# Altium PCB PCB1.PcbDoc
Units mm, origin at the board's own origin, x right, y up, seen from the top; angles counter-clockwise.
Board outline 160.01 x 54.01 mm, 2 copper layers (Top Layer, Bottom Layer); 23 components, 35 nets, 151 pads, 13 vias.
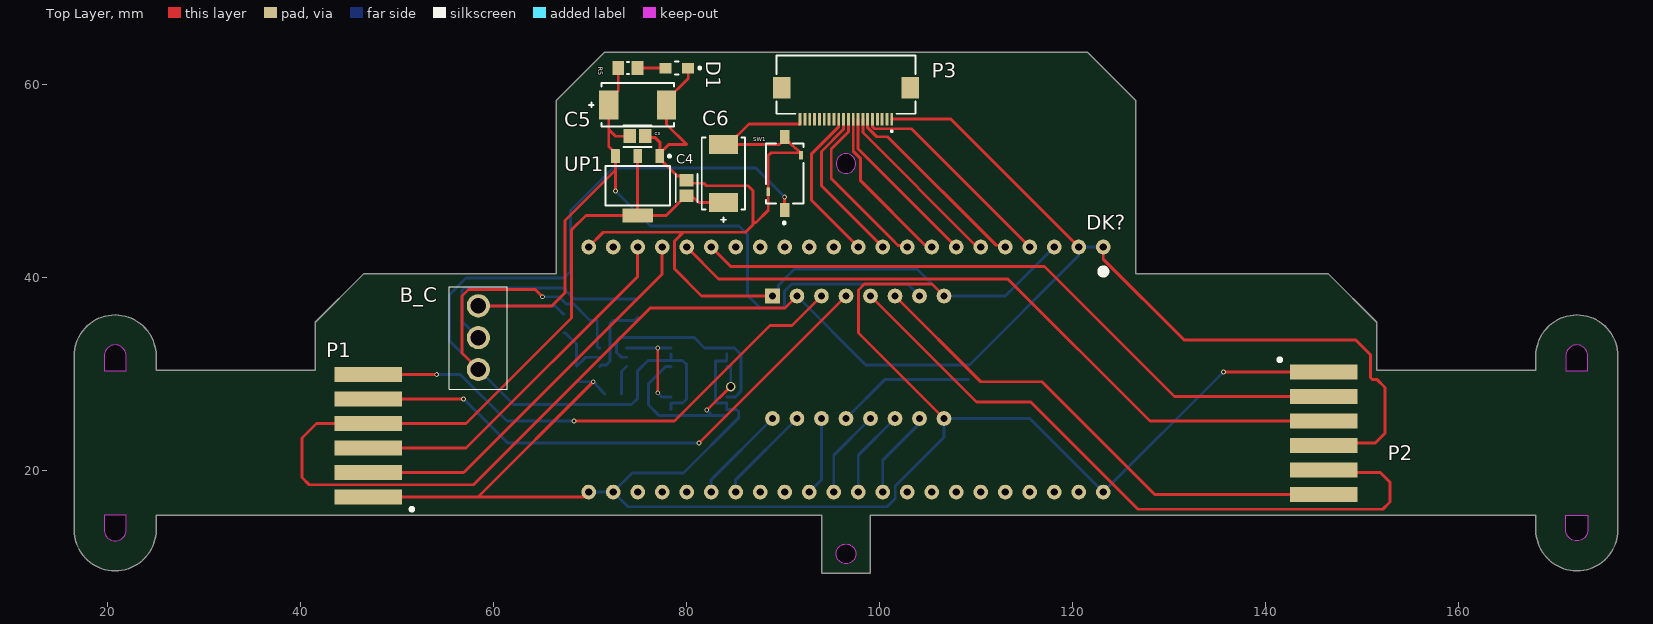
[diagram p0: Top Layer view]
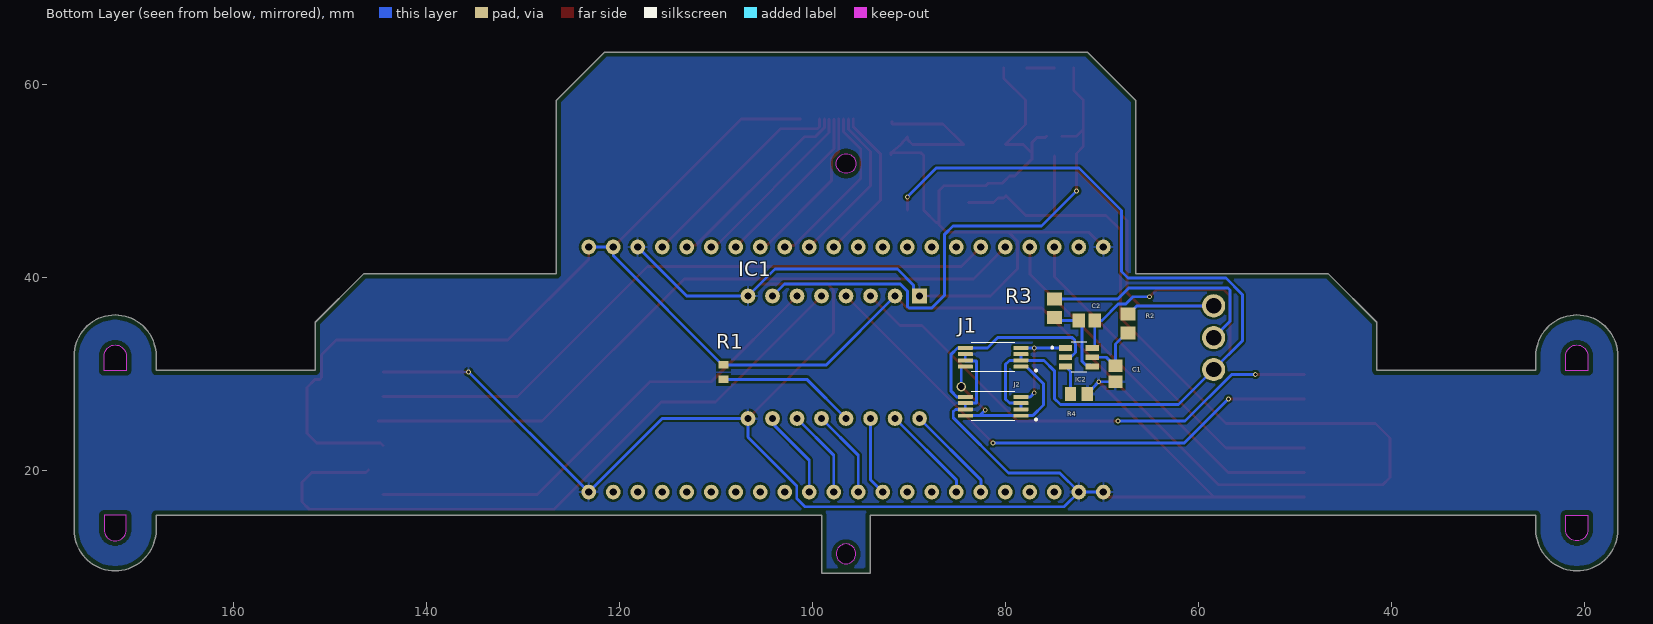
[diagram p1: Bottom Layer view, seen from below]
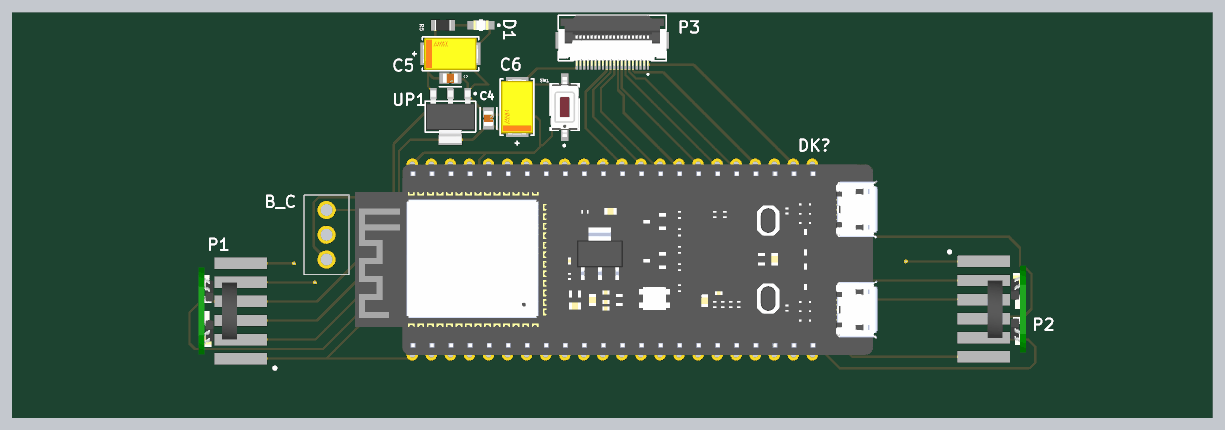
[diagram p2: 3D render of the assembled board from above, using the file's embedded part models]

## Layer stack, top to bottom
Top Solder: solder mask 0.0102, Solder Resist, Dk 3.5
Top Layer: signal copper 0.0356
Dielectric 1: dielectric 0.32, FR-4, Dk 4.8
Bottom Layer: signal copper 0.0356
Bottom Solder: solder mask 0.0102, Solder Resist, Dk 3.5

## Board outline
16.517,13.876 ccw(c20.774,13.876) 25.03,13.876 25.03,15.37 94.017,15.37 94.017,9.376 94.024,9.37 99.024,9.37 99.03,9.376 99.03,15.37 168.017,15.37 168.017,13.876 ccw(c172.274,13.876) 176.53,13.876 176.53,31.876 ccw(c172.274,31.876) 168.017,31.876 168.017,30.383 151.53,30.383 151.53,35.376 151.528,35.381 146.528,40.381 146.524,40.383 126.53,40.383 126.53,58.376 126.528,58.381 121.528,63.381 121.524,63.383 71.524,63.383 71.519,63.381 66.519,58.381 66.517,58.376 66.517,40.383 46.524,40.383 46.519,40.381 41.519,35.381 41.517,35.376 41.517,30.383 25.03,30.383 25.03,31.876 ccw(c20.774,31.876) 16.517,31.877
cut-out: 19.624,13.876 ccw(c20.774,13.876) 21.924,13.876 21.924,15.376 19.624,15.376
cut-out: 171.124,13.876 171.124,15.376 173.424,15.376 173.424,13.876 cw(c172.274,13.876)
cut-out: 95.495,51.825 ccw(c96.52,51.825) 96.52,50.8 ccw(c96.52,51.825) 97.545,51.825 ccw(c96.52,51.825) 96.52,52.85 ccw(c96.52,51.825)
cut-out: 95.499,11.376 cw(c96.524,11.376) 96.524,12.401 cw(c96.524,11.376) 97.549,11.376 cw(c96.524,11.376) 96.524,10.351 cw(c96.524,11.376)
cut-out: 171.124,30.376 173.424,30.376 173.424,31.876 ccw(c172.274,31.876) 171.124,31.876
cut-out: 19.624,30.376 21.924,30.376 21.924,31.876 ccw(c20.774,31.876) 19.624,31.876

## Design rules (kind name [scope] priority, off if disabled: settings)
BoardOutlineClearance BoardOutlineClearance_1 [All] p1: gap=0.2 ignorepadtopadclearanceinfootprint=FALSE except(0: Arc-SplitContinuation Track-SplitContinuation SMDPad-SplitContinuation THPad-SplitContinuation Via-SplitContinuation Fill-SplitContinuation Region-SplitContinuation Text-SplitContinuation; 0.254: Via-OutlineEdge Via-CavityEdge Via-CutoutEdge Via-SplitBarrior; 0.5: Poly-OutlineEdge Poly-CavityEdge Poly-CutoutEdge Poly-SplitBarrior Poly-SplitContinuation)
Clearance Clearance_1 [OnMid vs OnMid] p1: gap=0.25 ignorepadtopadclearanceinfootprint=FALSE except(0: SMDPad-THPad SMDPad-Via THPad-THPad THPad-Via Fill-Hole Poly-Hole Region-Hole Hole-Hole; 0.127: Arc-Arc Arc-Track Arc-Text Track-Track Track-Text SMDPad-SMDPad Text-Text; 0.2: Arc-SMDPad Track-SMDPad SMDPad-Text; 0.254: Arc-Via Track-Via Via-Via Via-Text; 0.33: Arc-THPad Track-THPad THPad-Text; 0.5: Arc-Hole Track-Hole SMDPad-Hole THPad-Hole Via-Hole Text-Hole) sourcerule=40 cellrowname=All cellrowtype=0 cellcolname=All cellcoltype=0 innerlayers=TRUE
Clearance Clearance_2 [(ExistsOnLayer('Top Layer') Or ExistsOnLayer('Bottom Layer')) vs (ExistsOnLayer('Top Layer') Or ExistsOnLayer('Bottom Layer'))] p2: gap=0.25 ignorepadtopadclearanceinfootprint=FALSE except(0: SMDPad-THPad SMDPad-Via THPad-THPad THPad-Via Fill-Hole Poly-Hole Region-Hole Hole-Hole; 0.127: Arc-Arc Arc-Track Arc-Text Track-Track Track-Text SMDPad-SMDPad Text-Text; 0.2: Arc-SMDPad Track-SMDPad SMDPad-Text; 0.254: Arc-Via Track-Via Via-Via Via-Text; 0.33: Arc-THPad Track-THPad THPad-Text; 0.5: Arc-Hole Track-Hole SMDPad-Hole THPad-Hole Via-Hole Text-Hole) sourcerule=40 cellrowname=All cellrowtype=0 cellcolname=All cellcoltype=0 outerlayers=TRUE
Clearance [All] p3: gap=0.102 ignorepadtopadclearanceinfootprint=FALSE ismatrix=TRUE
HoleSize [All] p1: absolutevalues=TRUE maxlimit=6.4 minlimit=0.3 maxpercent=80.000 minpercent=20.000
MinimumSolderMaskSliver [All] p1: minsoldermaskwidth=0.08
PlaneConnect PowerPlaneConnectStyle_1 [All] p1: planeconnectstyle=Direct reliefexpansion=0.508 reliefentries=2 reliefconductorwidth=0.254 reliefairgap=0.254
PlaneConnect [All] p2: planeconnectstyle=Relief reliefexpansion=0.508 reliefentries=2 reliefconductorwidth=0.254 reliefairgap=0.254
PolygonConnect [All] p1: connectstyle=Relief reliefconductorwidth=0.254 reliefentries=4 polygonreliefangle="90 Angle" airgapwidth=0.254
RoutingVias RoutingViaStyle_1 [All] p1: holewidth=0.711 width=1.27 viastyle="Through Hole" minholewidth=0.711 minwidth=1.27 maxholewidth=0.711 maxwidth=1.27
RoutingVias RoutingViaStyle_2 [All] p2: holewidth=0.3 width=0.5 viastyle="Through Hole" minholewidth=0.3 minwidth=0.5 maxholewidth=1 maxwidth=1
SilkToSolderMaskClearance [IsPad] p1: minsilkscreentomaskgap=0.1 clearancetoexposedcopper=TRUE
SolderMaskExpansion [All] p1: expansion=0.038 istentingtop=FALSE
UnRoutedNet [All] p1: checkbadconnections=TRUE
Width [All] p1: maxlimit=1 minlimit=0.102 preferedwidth=0.3
Width MaxMinWidth_1 [All] p2: maxlimit=1 minlimit=0.127 preferedwidth=0.3 minimp=50.000000 maximp=50.000000 favimp=50.000000
25 further rules are at their usual default settings.

## Classes and differential pairs
component class Sheet1: B_C C1 C2 C3 C4 C5 C6 D1 IC1 IC2 J1 J2 P1 P3 R1 R2 R3 R4 R5 UP1

## Components (designator, comment, footprint, x,y, rotation, side; value= is the part's Value field where it differs from the comment)
B_C "Battery_Connector" WtyczkaNaBaterie 58.42,33.782 r90 top
C1 "100n" CAPC2013X145X48NL20T23 68.58,30.035 r270 bottom
C2 "100n" CAPC2013X145X48NL20T23 71.565,35.56 r0 bottom
C3 "100n" FP-0805-L_2_01_0_2-W_1_25-IPC_B 74.93,54.661 r0 top
C4 "100n" FP-0805-L_2_01_0_2-W_1_25-IPC_B 80.01,49.292 r90 top
C5 "47u-10V" FP-TPSD-MFG 74.93,57.912 r180 top
C6 "47u-10V" FP-TPSD-MFG 83.82,50.8 r270 top
D1 "RED" FP-SML-21-MFG 78.994,61.722 r180 top
DK? "ESP32-S3" "ESP32-S3-DevKit footprint" 97.79,30.48 r270 top
IC1 "TB6612FNG board" "TB6612FNG board footprint" 88.9,38.1 r270 bottom
IC2 "TC2120" IC_IC-DP_SOT23-6L 72.39,31.75 r180 bottom
J1 "8205A" SOP65P640X120-8N 81.28,31.75 r0 bottom
J2 "8205A" SOP65P640X120-8N 81.28,26.67 r0 bottom
P1 "Pololu Encoders" "Encoders Pololu footprint" 48.99,23.622 r180 top
P2 "Pololu Encoders" "Encoders Pololu footprint" 144.018,23.876 r0 top
P3 "FFC2B35-20-G" GCT_FFC2B35-20-G_REVA2 96.52,59.69 r180 top
R1 "10k" RESC1608X55X25ML10T15 109.22,30.214 r90 bottom
R2 "330R-1%" RESC2013X70X40ML20T20 67.31,35.265 r270 bottom
R3 "330R-1%" RESC2013X70X40ML20T20 74.93,36.83 r270 bottom
R4 "2k-1%" RESC2013X70X40NL20T20 72.39,27.94 r180 bottom
R5 "470R" RESC2013X60X35ML10T20 73.914,61.722 r0 top
SW1 "PTS636 SKG25 SMTR LFS" FP-PTS636_SKG25_SMTR_LFS-MFG 90.17,50.8 r90 top
UP1 "LM1117MP-3.3/NOPB" DCY0004A_L 74.93,49.53 r270 top

## Footprints (in the part's own frame and the unit in brackets; to place one, negate y for a bottom-side part, rotate by r counter-clockwise, add the part's x,y. Pads: shape width x height; smd on the part's side, far side on the other; paste and mask are expansions set on the pad)
CAPC2013X145X48NL20T23 [mm] "Chip Capacitor, 2-Leads, Body 2.00x1.25mm, IPC Medium Density"
  rect 1.3x1.45 smd: 1(-0.825,0) 2(0.825,0)
  body extent -1.1,-0.72 1.1,0.72, height 1.45
DCY0004A_L [mm] "SOT223, 4-Leads, Body 6.7x3.7mm, Pitch 2.3mm, IPC High Density"
  rrect11% 1.45x0.9 smd: 1(-3.075,2.3) 2(-3.075,0) 3(-3.075,-2.3)
  rrect7% 1.45x3.15 smd: 4(3.075,0)
  silkscreen extent -3.2,-3.35 2.05,3.43, body extent -3.5,-3.25 3.5,3.25, height 1.62
"Encoders Pololu footprint" [mm]
  rect 7x1.524 smd: 1(2,6.35) 2(2,3.81) 3(2,1.27) 4(2,-1.27) 5(2,-3.81) 6(2,-6.35)
  silkscreen extent -2.69,7.47 -2.39,7.77, body extent 2.54,-5.8 7.62,5.8, height 10.64
"ESP32-S3-DevKit footprint" [mil]
  round 60 hole 30: 1(-500,1000) 2(-500,900) 3(-500,800) 4(-500,700) 5(-500,600) 6(-500,500) 7(-500,400) 8(-500,300) 9(-500,200) 10(-500,100) 11(-500,0) 12(-500,-100) 13(-500,-200) 14(-500,-300) 15(-500,-400) 16(-500,-500) 17(-500,-600) 18(-500,-700) 19(-500,-800) 20(-500,-900) 21(-500,-1000) 22(-500,-1100) 23(500,-1100) 24(500,-1000) 25(500,-900) 26(500,-800) 27(500,-700) 28(500,-600) 29(500,-500) 30(500,-400) 31(500,-300) 32(500,-200) 33(500,-100) 34(500,0) 35(500,100) 36(500,200) 37(500,300) 38(500,400) 39(500,500) 40(500,600) 41(500,700) 42(500,800) 43(500,900) 44(500,1000)
  silkscreen extent -412,988 -388,1012, body extent -500,-1400 500,1342, height 618
FP-0805-L_2_01_0_2-W_1_25-IPC_B [mm]
  rect 1.305x1.456 smd paste+0 mask+0: 1(-0.806,0) 2(0.806,0)
  silkscreen extent -1.46,-1.13 1.46,1.13, body extent -1.71,-0.98 1.71,0.98, height 0.25
FP-PTS636_SKG25_SMTR_LFS-MFG [mm]
  rect 1.45x1 smd paste+0 mask+0: 1(-3.775,0) 2(3.775,0)
  rect 0.9x0.4 smd paste+0 mask+0: 3(-1.9,1.7) 4(1.9,-1.7)
  silkscreen extent -5.25,-1.95 3.1,1.95, body extent -4.6,-2.05 4.6,2.05, height 0.25
FP-SML-21-MFG [mm]
  rect 1.25x1.1 smd paste+0 mask+0: 1(-1.175,0) 2(1.175,0)
  silkscreen extent -2.5,-0.67 0.18,0.67, body extent -1.9,-0.77 1.9,0.77, height 0.25
FP-TPSD-MFG [mm]
  rect 2x3 smd paste+0 mask+0: 1(-3,0) 2(3,0)
  silkscreen extent -3.75,-2.25 5.05,2.25, body extent -3.65,-2.15 3.65,2.15, height 3.1
GCT_FFC2B35-20-G_REVA2 [mm]
  rect 0.3x1.3 smd: 1(-4.75,3.25) 2(-4.25,3.25) 3(-3.75,3.25) 4(-3.25,3.25) 5(-2.75,3.25) 6(-2.25,3.25) 7(-1.75,3.25) 8(-1.25,3.25) 9(-0.75,3.25) 10(-0.25,3.25) 11(0.25,3.25) 12(0.75,3.25) 13(1.25,3.25) 14(1.75,3.25) 15(2.25,3.25) 16(2.75,3.25) 17(3.25,3.25) 18(3.75,3.25) 19(4.25,3.25) 20(4.75,3.25)
  rect 1.8x2.2 smd: S1(-6.65,0) S2(6.65,0)
  silkscreen extent -7.2,-3.35 7.2,4.62, body extent -7.2,-3.34 7.2,3.41, height 2
IC_IC-DP_SOT23-6L [mm]
  rect 1.375x0.6 smd: 1(-1.389,0.95) 2(-1.389,0) 3(-1.389,-0.95) 4(1.389,-0.95) 5(1.389,0) 6(1.389,0.95)
  silkscreen extent -2.85,-1.57 0.8,1.57, body extent -1.4,-1.45 1.4,1.45, height 1.3
RESC1608X55X25ML10T15 [mm] "Chip Resistor, 2-Leads, Body 1.60x0.80mm, IPC Low Density"
  rect 0.8x1 smd: 1(-0.75,0) 2(0.75,0)
  body extent -0.85,-0.45 0.85,0.45, height 0.55
RESC2013X60X35ML10T20 [mm] "Chip Resistor, 2-Leads, Body 2.1x1.35mm, IPC Low Density"
  rect 1.2x1.45 smd: 1(-1,0) 2(1,0)
  silkscreen extent -0.1,-0.62 0.1,0.62, body extent -1.05,-0.68 1.05,0.67, height 0.6
RESC2013X70X40ML20T20 [mm] "Chip Resistor, 2-Leads, Body 2.00x1.25mm, IPC Low Density"
  rect 1.35x1.55 smd: 1(-0.975,0) 2(0.975,0)
  body extent -1.1,-0.72 1.1,0.72, height 0.7
RESC2013X70X40NL20T20 [mm] "Chip Resistor, 2-Leads, Body 2.2x1.35mm, IPC Medium Density"
  rect 1.15x1.45 smd: 1(-0.875,0) 2(0.875,0)
  body extent -1.1,-0.72 1.1,0.72, height 0.7
SOP65P640X120-8N [mm]
  rrect25% 1.56x0.4 smd: 1(-2.88,0.975) 2(-2.88,0.325) 3(-2.88,-0.325) 4(-2.88,-0.975) 5(2.88,-0.975) 6(2.88,-0.325) 7(2.88,0.325) 8(2.88,0.975)
  silkscreen extent -4.54,-1.52 2.25,1.52, body extent -3.2,-1.47 3.2,1.47, height 1.2
"TB6612FNG board footprint" [mil]
  rect 60x60 hole 30: 1(0,0)
  round 60 hole 30: 2(0,-100) 3(0,-200) 4(0,-300) 5(0,-400) 6(0,-500) 7(0,-600) 8(0,-700) 9(500,0) 10(500,-100) 11(500,-200) 12(500,-300) 13(500,-400) 14(500,-500) 15(500,-600) 16(500,-700)
  body extent -50,-750 550,50, height 111
WtyczkaNaBaterie [mm]
  round 2.4 hole 1.6: 1(3.302,0) 2(0,0) 3(-3.302,0)
  silkscreen extent -5.33,-3 5.3,3

## Part data
C1 C2: library part CMP-2007-03167-1, Manufacturer=Vitramon, Part Number=VJ0805Y104KNAAT
C3 C4: library part CMP-2007-04174-2, "General Purpose Ceramic Capacitor, 0805, 100nF, 10%, X7R, 15%, 100V", Capacitance=100nF, Case Code (Imperial)=0805, Case Code (Metric)=2012, Dielectric=X7R, Dielectric Material=Ceramic, Max Operating Temperature=125°C, Min Operating Temperature=-55°C, Package Quantity=2000, Tolerance=10%, Voltage=100V, Case/Package=0805, Construction=Flat, Contact Plating=Tin, Depth=1.25mm, Height=1.4mm, Lead Free="Lead Free", Length=2.01mm, Mount="Surface Mount", Number of Pins=2, Packaging="Tape and Reel", Radiation Hardening=No, REACH SVHC="No SVHC", RoHS Compliant=Yes, Series=-, Termination=SMD/SMT, Thickness=0.055inch, Voltage Rating=100V, Voltage Rating (DC)=100V, Width=0.049inch
C5 C6: library part CMP-2000-07298-2, "CAP TANT 100UF 10% 10V 2917", Capacitance=100uF, Case Code (Imperial)=2917, Case Code (Metric)=7343, Case/Package=7343-31, Dielectric Material=Tantalum, ESR (Equivalent Series Resistance)=100mR, Leakage Current=10uA, Max Operating Temperature=125°C, Min Operating Temperature=-55°C, Package Quantity=500, Ripple Current=490uA, Tolerance=20%, Voltage=10V, Approvals=IEC, Depth=4.3mm, Dissipation Factor=6%, Features="General Purpose", Height=2.9mm, Height - Seated (Max)=0.122inch, Lead Free="Lead Free", Length=7.3mm, Mount="Surface Mount", Number of Pins=2, Packaging="Tape and Reel", Polarity=Polar, Radiation Hardening=No, REACH SVHC="No SVHC", RoHS Compliant=Yes, Termination=SMD/SMT, Voltage Rating=10V, Voltage Rating (DC)=10V, Width=4.3mm
D1: library part CMP-08952-000017-1, "LED RED CLEAR 0805 SMD", Ambient Temperature Range High=+85°C, Ambient Temperature Range Low=-30°C, Colour=Red, Forward Current=20mA, Forward Voltage=2V, Manufacturer=ROHM, Manufacturer Part Number=SML-210VTT86, Package=SML-21, Power Dissipation=70mW, Reverse Voltage=4V, Temperature="-30°C to +85°C", Automotive=No, Category=Diode, ComponentLink2Description=Datasheet, ComponentLink2URL=https://media.digikey.com/pdf/Data%20Sheets/Rohm%20PDFs/sml-210.pdf, Device Class L1=Optoelectronics, Device Class L2=LEDs, Device Class L3=unset, Digikey Description="LED RED CLEAR 0805 SMD", Footprint Url=https://eu.mouser.com/datasheet/2/348/sml-21-313092.pdf, Height=0.9mm, Lead Free=Yes, Led Orientation="Top View", Luminous Intensity=4mcd, Mouser Description="Standard LEDs - SMD RED SMD TRANS LENS", Obsolete Part=true, Octopart=https://octopart.com/sml-210vtt86-rohm-550728, Peak Emmision Wavelength=650nm, RoHS=TRUE, Temperature Range High=+85°C, Temperature Range Low=-30°C, Wavelength=630nm
DK?: library part "ESP32-S3-N16R2 DevKit"
R1: library part CMP-2100-03667-1, "Chip Resistor, 0 Ohm, +/- 5%, 0.1 W, -55 to 155 degC, 0603 (1608 Metric), RoHS, Tape and Reel", Case Code (Imperial)=0603, Case Code (Metric)=1608, Manufacturer=Yageo, Max Operating Temperature=155degC, Min Operating Temperature=-55degC, Package Description="2-Pin Surface Mount Device, Body 1.6 x 0.8 mm", Package Quantity=5000, Power Rating=100mW, Resistance=0mOhm, Temperature Coefficient=200ppm/degreesC, Tolerance=5%, Voltage Rating=50V, Case/Package=0603, Composition=ThickFilm, Contact Plating=Tin, Datasheet URL=http://www.yageo.com/NewPortal/yageodocoutput?fileName=/pdf/R-Chip/PYu-RC_Group_51_RoHS_L_5.pdf, Datasheet Version="Rev. 5, 10/2016", Depth=0.8mm, Height=0.45mm, Lead Free=LeadFree, Length=1.6mm, Manufacturer URL=http://www.yageo.com/, Military Standard=Not, Number of Pins=2, Package Reference=0603, Packaging=TapeandReel, Radiation Hardening=No, REACH SVHC=NoSVHC, RoHSCompliant=true, Termination=SMD/SMT, Voltage Rating (DC)=50V, Width=0.8mm
R2 R3: library part CMP-2001-00532-1, Manufacturer=Panasonic, Part Number=ERJ6ENF3300V
R4: library part CMP-2001-00026-5, "Chip Resistor, 2 KOhm, +/- 1%, 0.125 W, -55 to 155 degC, 0805 (2012 Metric), RoHS, Tape and Reel", Manufacturer=Panasonic, Max Operating Temperature="155 degC", Min Operating Temperature="-55 degC", Package Quantity=5000, Voltage Rating="150 V", ComponentLink1Description="Manufacturer URL", ComponentLink1URL=http://www.panasonic.com/, ComponentLink2Description=Datasheet, ComponentLink2URL=http://industrial.panasonic.com/cdbs/www-data/pdf/RDA0000/AOA0000C86.pdf, DatasheetVersion=04/2015, Height="0.6 mm", Length="2 mm", Mount="Surface Mount", Mounting Technology="Surface Mount", PackageDescription="2-Pin Surface Mount Device, Body 2 x 1.25 mm", PackageReference=0805, Packaging="Tape and Reel", REACH SVHC=Unknown, RoHSCompliant=true
R5: library part CMP-2100-03673-1, "Chip Resistor, 0 Ohm, Jumper, +/- 5%, 0.125 W, -55 to 155 degC, 0805 (2012 Metric), RoHS, Tape and Reel", Case Code (Imperial)=0805, Case Code (Metric)=2012, Manufacturer=Yageo, Max Operating Temperature=155degC, Min Operating Temperature=-55degC, Package Description="2-Pin Surface Mounted Device, Body 2 x 1.25 mm", Power Rating=125mW, Resistance=0mOhm, Temperature Coefficient=200ppm/degreesC, Tolerance=5%, Voltage Rating=150V, Case/Package=0805, Composition=ThickFilm, Contact Plating=Tin, Datasheet URL=http://www.yageo.com/NewPortal/yageodocoutput?fileName=/pdf/R-Chip/PYu-RC_Group_51_RoHS_L_5.pdf, Datasheet Version="Rev. 5, 10/2016", Depth=1.25mm, Height=0.5mm, Lead Free=LeadFree, Length=2mm, Manufacturer URL=http://www.yageo.com/, Military Standard=Not, Number of Pins=2, Package Reference=0805, Packaging=TapeandReel, Radiation Hardening=No, REACH SVHC=Unknown, RoHSCompliant=true, Termination=SMD/SMT, Voltage Rating (DC)=150V, Width=1.25mm
SW1: library part CMP-10040-000025-1, "TACT 6.0 X 3.5, 2.5 MM H, 250GF,"
UP1: library part CMP-0062-01638-4, "800mA Low-Dropout Linear Regulator, 4-pin SOT-223, Pb-Free", Manufacturer="Texas Instruments", PackageTopMarking=XYTT*N05A, PowerWise=N, Code_IPC=SOT223-4, Code_JEDEC=TO-261-AA, ComponentLink1Description="Datasheet URL", ComponentLink1URL=http://www.ti.com/general/docs/lit/getliterature.tsp?genericPartNumber=LM1117-N&fileType=pdf, CompType="LDO IC", High-Reliability=Y, PackageDescription="Molded SOT-223, 6.50 x 3.56 x 1.6mm Body, 4 Lead, 2.3mm Pitch", PackageReference=DCY0004A, PartNumber=LM1117MP-3.3/NOPB, PinCount=4, RoHS=Y

## Via types
v1: diameter 0.5, hole 0.3, Top Layer to Bottom Layer, 12 vias
v2: diameter 1, hole 0.711, Top Layer to Bottom Layer, 1 vias

## Nets (pads, with @x,y where several pads share a name; then routed paths per layer and width w, separated by ;. In a path a pad name is that pad's centre, name@x,y a point inside that pad or via, vN(x,y) a via of type N, cw(c..) or ccw(c..) an arc to the next point about the centre after c; other vN are vias at no path point)
3V3: C4.1 C6.2 DK?.1 DK?.2 IC1.2 P1.4 P2.4 P3.1 R1.2 UP1.2 UP1.4 | length 245.3
  Top Layer w0.3: UP1.2 UP1.4 ; C6.2 81.24,47.8 80.78,48.26 80.161,48.26 79.934,48.487 77.903,46.455 UP1.4 ; IC1.2 90.195,36.855 76.225,36.855 57.912,18.542 40.894,18.542 40.132,19.304 40.132,23.368 41.656,24.892 57.15,24.892 68.072,35.814 68.072,44.958 69.569,46.455 UP1.4 ; P3.1 107.39,56.44 DK?.2 ; DK?.1 123.19,41.91 131.572,33.528 149.352,33.528 150.876,32.004 150.876,29.64 151.052,29.464 151.537,29.464 152.4,28.601 152.4,23.876 151.384,22.86 144.78,22.86 P2.4@144.526,22.606
  Bottom Layer w0.3: IC1.2 98.576,30.964 R1.2 109.32,30.964 120.65,42.294 DK?.2 DK?.1
AIN1: DK?.32 IC1.11 | length 8.1
  Bottom Layer w0.3: DK?.32 93.98,19.05 IC1.11
AIN2: DK?.29 IC1.10 | length 10.3
  Bottom Layer w0.3: DK?.29 85.09,19.05 IC1.10
AO1: IC1.3 P1.6 | length 52.4
  Top Layer w0.3: P1.6@48.99,29.972 v1(54.102,29.972) ; v1(68.326,25.146) 78.74,25.146 88.646,35.052 90.932,35.052 IC1.3
  Bottom Layer w0.3: v1(54.102,29.972) 56.552,29.972 61.378,25.146 v1(68.326,25.146)
AO2: IC1.4 P1.5 | length 55.7
  Top Layer w0.3: P1.5@48.99,27.432 v1(56.896,27.432) ; v1(81.28,22.86) IC1.4
  Bottom Layer w0.3: v1(56.896,27.432) 61.468,22.86 v1(81.28,22.86)
BIN1: DK?.33 IC1.13 | length 9.2
  Bottom Layer w0.3: DK?.33 95.25,21.59 IC1.13
BIN2: DK?.34 IC1.14 | length 9.2
  Bottom Layer w0.3: DK?.34 97.79,21.59 IC1.14
BO1: IC1.6 P2.6 | length 51.4
  Top Layer w0.3: IC1.6 110.49,29.21 116.84,29.21 128.524,17.526 P2.6@144.526,17.526
BO2: IC1.5 P2.5 | length 72.8
  Top Layer w0.3: IC1.5 110.036,27.124 115.673,27.124 126.795,16.002 152.146,16.002 152.908,16.764 152.908,18.796 151.892,19.812 146.272,19.812 P2.5
LOUTA: DK?.20 P1.3 | length 36.4
  Top Layer w0.3: P1.3@48.99,22.352 57.15,22.352 74.93,40.132 DK?.20
LOUTB: DK?.19 P1.2 | length 39.8
  Top Layer w0.3: P1.2@48.99,19.812 56.896,19.812 77.47,40.386 DK?.19
NetC1_1: C1.1 IC2.5 R2.2 | length 6.8
  Bottom Layer w0.3: R2.2 67.41,34.29 68.58,33.12 C1.1 68.655,30.86 69.545,31.75 IC2.5
NetC2_2: C2.2 IC2.4 R3.2 | length 8.3
  Bottom Layer w0.3: IC2.4 71.151,30.95 71.684,30.95 72.046,31.312 72.046,35.216 C2.2 74.635,35.56 R3.2
NetD1_2: D1.2 R5.2 | length 2.9
  Top Layer w0.3: R5.2 D1.2
NetIC2_3: IC2.3 R4.1 | length 3.1
  Bottom Layer w0.3: R4.1 73.265,30.286 IC2.3
NetJ1_1: J1.1 J1.8 J2.1 J2.8 | length 20.6
  Top Layer w0.3: v1(82.093,26.289) 82.131,26.289 84.544,28.702 v2(84.582,28.702)
  Bottom Layer w0.3: J1.1 77.82,30.775 76.053,29.008 76.053,26.817 77.175,25.695 J2.1 82.687,25.695 ; v1(82.093,26.289) 82.687,25.695 ; J2.8 82.687,25.695 ; J1.8 84.532,30.775 84.582,30.725 v2(84.582,28.702)
OC: IC2.2 J1.5 J2.5 | length 21.7
  Bottom Layer w0.3: IC2.2 73.246,31.75 72.741,32.255 72.741,33.145 72.817,33.221 72.817,33.525 73.074,33.782 80.814,33.782 81.871,32.725 J1.5 84.956,32.725 85.623,32.058 85.623,28.227 85.041,27.645 J2.5
OD: IC2.1 J1.4 J2.4 | length 10.9
  Top Layer w0.3: v1(77.013,28.067) v1(77.013,32.725)
  Bottom Layer w0.3: IC2.1 73.804,32.725 v1(77.013,32.725) J1.4 ; v1(77.013,28.067) 77.435,27.645 J2.4
PB+: B_C.1 C3.1 C5.2 IC1.7 R2.1 R5.1 UP1.3 | length 92.3
  Top Layer w0.3: B_C.1 66.04,37.084 67.386,38.43 67.386,45.923 72.63,51.167 ; v1(72.644,48.997) 72.63,49.011 72.63,51.167 ; R5.1 72.914,59.396 71.93,58.412 C5.2 71.93,55.372 ; C3.1 72.641,54.661 71.93,55.372 ; 71.93,55.372 71.93,53.58 72.63,52.88 UP1.3 72.63,51.167
  Bottom Layer w0.3: B_C.1 66.366,37.084 67.21,36.24 R2.1 ; v1(72.644,48.997) 76.276,45.364 85.42,45.364 86.335,44.45 86.335,38.151 87.63,36.855 89.994,36.855 90.17,37.031 90.17,38.608 90.904,39.342 102.898,39.342 IC1.7
PB-: C1.2 C3.2 C4.2 C5.1 C6.1 D1.1 DK?.3 DK?.22 DK?.23 DK?.24 DK?.44 IC1.1 IC1.8 IC1.16 J1.6 J1.7 J2.6 J2.7 P1.1 P2.1 P3.20 R4.2 SW1.2 SW1.3 SW1.4 UP1.1 | length 310.7
  Top Layer w0.3: P1.1@48.99,17.272 58.395,17.272 ; DK?.23 69.342,17.272 58.395,17.272 ; DK?.22 71.374,44.704 79.654,44.704 ; v1(70.333,29.21) 58.395,17.272 ; C3.2 75.888,54.508 76.759,54.508 77.23,54.037 UP1.1@77.23,52.88 ; D1.1 80.169,60.651 77.93,58.412 C5.1 77.93,55.88 80.01,53.8 78.15,53.8 UP1.1@77.23,52.88 ; IC1.1 81.559,38.1 78.765,40.894 78.765,43.815 79.654,44.704 ; P3.20@91.77,56.19 91.77,55.94 86.46,55.94 84.32,53.8 89.62,53.8 90.17,54.35 SW1.2 90.838,53.8 SW1.4@91.87,52.95 ; SW1.4 SW1.4@91.87,52.95 ; IC1.16 97.815,34.265 97.815,38.735 98.425,39.345 105.435,39.345 IC1.8 ; v1(135.636,30.226) P2.1@144.526,30.226 ; UP1.1@77.23,52.88 UP1.1 77.23,52.33 79.027,50.533 79.576,50.533 C4.2 80.324,49.784 81.788,49.784 82.042,49.53 86.36,49.53 86.868,49.022 86.868,45.72 ; 79.654,44.704 86.106,44.704 86.868,45.466 86.868,45.72 ; 86.868,45.72 87.2,45.72 88.47,46.99 SW1.3 88.47,52.65 88.77,52.95 SW1.4@91.87,52.95
  Bottom Layer w0.3: C1.2 v1(70.333,29.21) R4.2 ; DK?.23 DK?.24 ; J1.6 J1.7 84.11,31.375 82.987,31.375 82.987,26.995 J2.6 J2.7 85.186,26.345 85.407,26.124 85.407,25.489 79.68,19.761 74.371,19.761 DK?.24 ; IC1.1 89.512,38.712 89.512,39.21 91.196,40.894 103.886,40.894 IC1.8 113.03,38.1 DK?.3 ; v1(135.636,30.226) DK?.44 115.57,25.4 IC1.16 106.68,23.47 101.625,18.415 101.625,17.12 100.762,16.256 73.914,16.256 DK?.24
PWMA: DK?.28 IC1.9 | length 10.3
  Bottom Layer w0.3: DK?.28 82.55,19.05 IC1.9
PWMB: DK?.35 IC1.15 | length 9.2
  Bottom Layer w0.3: DK?.35 100.33,21.082 103.906,24.658 103.906,25.166 IC1.15
ROUTA: DK?.18 P2.3 | length 72.5
  Top Layer w0.3: DK?.18 83.312,39.878 113.284,39.878 128.016,25.146 P2.3@145.034,25.146
ROUTB: DK?.17 P2.2 | length 68.4
  Top Layer w0.3: DK?.17 84.582,41.148 117.094,41.148 130.556,27.686 P2.2@144.526,27.686
SENS1: DK?.8 P3.9 | length 16.9
  Top Layer w0.3: P3.9 97.27,53.096 98.044,52.322 98.044,50.038 104.668,43.414 105.176,43.414 DK?.8
SENS2: DK?.9 P3.10 | length 17.7
  Top Layer w0.3: P3.10 96.77,55.114 94.996,53.34 94.996,50.27 101.208,44.058 101.921,43.345 102.705,43.345 DK?.9
SENS3: DK?.10 P3.11 | length 16.8
  Top Layer w0.3: P3.11 96.27,55.376 93.98,53.086 93.98,49.53 DK?.10
SENS4: DK?.11 P3.12 | length 16.4
  Top Layer w0.3: P3.12 95.77,55.645 92.964,52.839 92.964,48.006 DK?.11
SENS5: DK?.7 P3.8 | length 17.5
  Top Layer w0.3: P3.8 97.77,53.36 DK?.7
SENS6: DK?.4 P3.5 | length 22.3
  Top Layer w0.3: P3.5 99.27,55.645 99.475,55.44 103.31,55.44 DK?.4
SENS7: DK?.5 P3.6 | length 20.3
  Top Layer w0.3: P3.6 98.77,55.541 99.701,54.61 100.838,54.61 112.092,43.356 112.854,43.356 DK?.5
SENS8: DK?.6 P3.7 | length 18.5
  Top Layer w0.3: P3.7 98.27,55.04 109.753,43.557 109.782,43.557 110.159,43.18 DK?.6
STBY: IC1.12 R1.1 | length 14.4
  Bottom Layer w0.3: IC1.12 100.584,29.464 R1.1
VC: B_C.2 R3.1 | length 24.4
  Bottom Layer w0.3: B_C.2 56.718,35.484 56.718,38.735 56.921,38.938 67.218,38.938 68.351,37.805 R3.1
VSS: B_C.3 C2.1 IC2.6 J1.2 J1.3 J2.2 J2.3 SW1.1 | length 115.9
  Top Layer w0.3: B_C.3 56.718,32.182 56.718,38.1 57.404,38.786 64.313,38.786 v1(65.075,38.024) ; SW1.1 v1(90.17,48.362)
  Bottom Layer w0.3: v1(65.075,38.024) 66.777,38.024 67.513,37.287 68.275,37.287 70.002,35.56 C2.1 70.74,32.85 70.89,32.7 IC2.6 ; J2.2 J2.3 79.573,26.995 80.01,27.432 80.01,30.988 79.573,31.425 J1.2 ; J1.3 J1.2 ; v1(90.17,48.362) 87.173,51.359 72.365,51.359 67.97,46.965 67.97,40.64 67.285,39.954 57.15,39.954 55.448,38.252 55.448,33.452 B_C.3 62.052,26.848 74.295,26.848 74.93,27.483 74.93,30.358 75.997,31.425 J1.2
pads on no net: DK?.12 DK?.13 DK?.14 DK?.15 DK?.16 DK?.21 DK?.25 DK?.26 DK?.27 DK?.30 DK?.31 DK?.36 DK?.37 DK?.38 DK?.39 DK?.40 DK?.41 DK?.42 DK?.43 P3.2 P3.3 P3.4 P3.13 P3.14 P3.15 P3.16 P3.17 P3.18 P3.19 P3.S1 P3.S2

## Polygon pours and split planes (outlines as drawn)
PB- on Bottom Layer "PB-_L02_P000" (solid, pour order 0): 3.556,84.836 7.62,88.9 189.992,88.9 189.992,3.048 186.944,0 9.144,0

## Silkscreen, mask and mechanical layers (free items; w line width, h text height)
Mechanical 1:
  circle w0.013: c96.524,11.376 r1.025
  circle w0.013: c96.52,51.816 r1.025
  lines w0.013: 16.524,13.876 ccw(c20.774,13.876) 25.024,13.876 25.024,15.376 94.024,15.376 94.024,9.376 99.024,9.376 99.024,15.376 168.024,15.376 168.024,13.876 ccw(c172.274,13.876) 176.524,13.876 176.524,15.376 176.524,30.376 176.524,31.876 ccw(c172.274,31.876) 168.024,31.876 168.024,30.376 151.524,30.376 151.524,35.376 146.524,40.376 126.524,40.376 126.524,58.376 121.524,63.376 96.524,63.376 71.524,63.376 66.524,58.376 66.524,40.376 46.524,40.376 41.524,35.376 41.524,30.376 25.024,30.376 25.024,31.876 ccw(c20.774,31.876) 16.524,31.876 16.524,30.376 16.524,15.376 16.524,13.876 ; 19.624,13.876 ccw(c20.774,13.876) 21.924,13.876 21.924,15.376 19.624,15.376 19.624,13.876 ; 19.624,30.376 19.624,31.876 cw(c20.774,31.876) 21.924,31.876 21.924,30.376 19.624,30.376 ; 171.124,13.876 ccw(c172.274,13.876) 173.424,13.876 173.424,15.376 171.124,15.376 171.124,13.876 ; 171.124,30.376 173.424,30.376 173.424,31.876 ccw(c172.274,31.876) 171.124,31.876 171.124,30.376